# Altium PCB WPTChargerMain.PcbDoc (part 2 of 3) (continued)
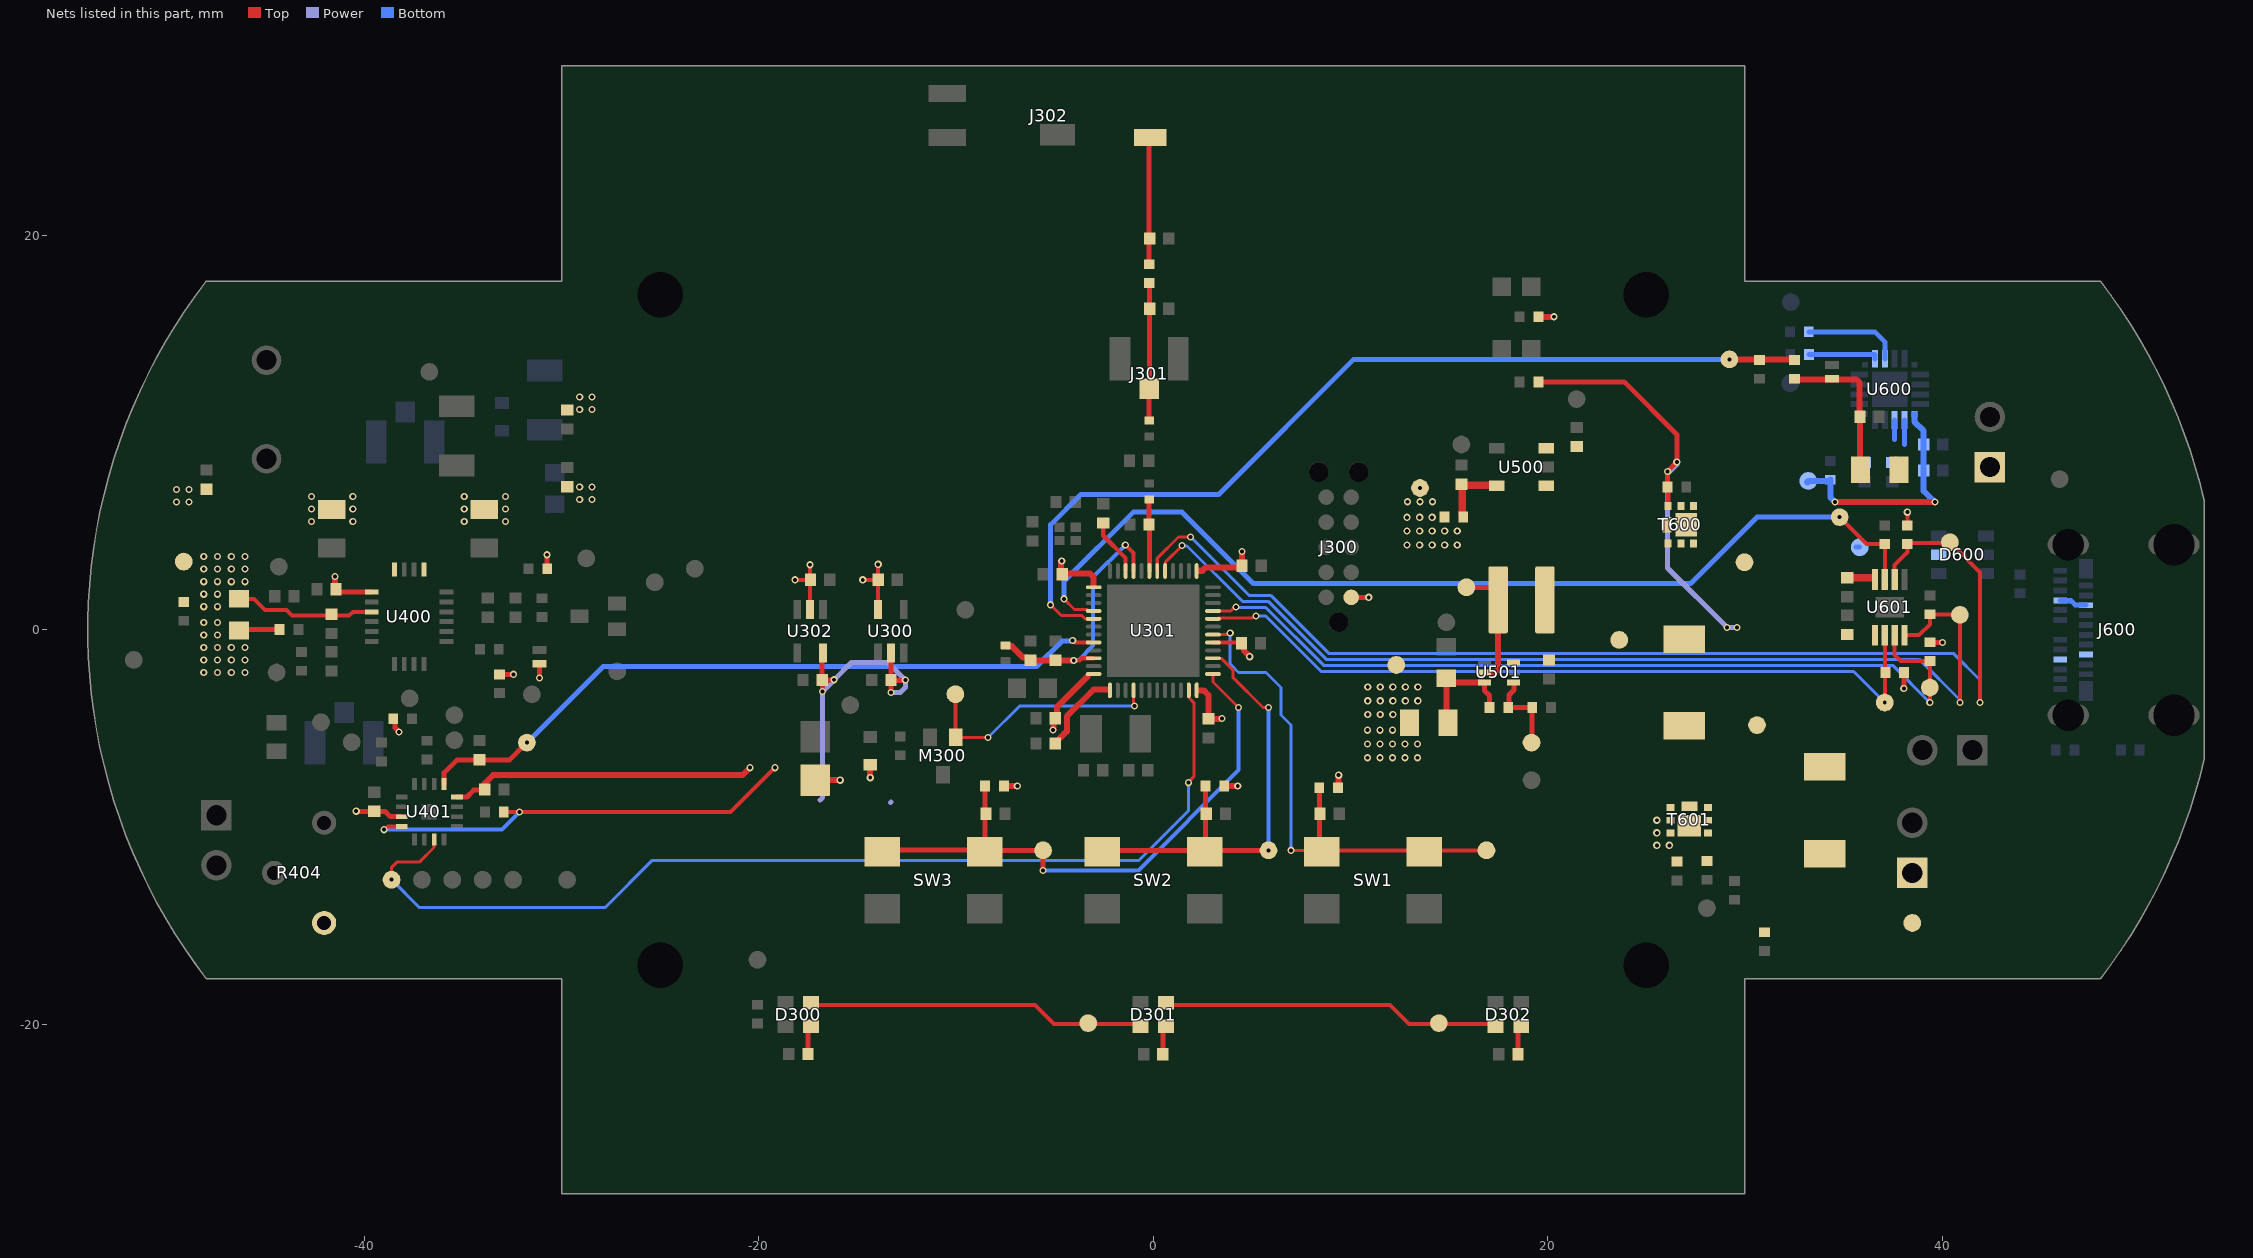
[diagram p4: the nets of this part, all layers, seen from the top]
## Part data (continued)
R504: "Fixed Resistor, Metal Glaze/thick Film, 0.2W, 499ohm, 50V, 1% +/-Tol, 100ppm/Cel, Surface Mount, 0402", Case/Package=0402, Manufacturer="Vishay Dale", Manufacturer Series=CRCW-HPE3, Max Operating Temperature=155°C, Medical Grade MFR=TBD, Min Operating Temperature=-55°C, Package Height=0.3mm, Package Length=1mm, Package Shape=Rectangular, Package Style=SMTMeter, Package Width=0.5mm, Power=200mW, Rated Temperature=70°C, Resistor Type="FIXED RESISTOR", Supplier Part Number=541-499YCT-ND, Supplier Part Number 1=71-CRCW0402499RFKEDH, Temperature Coefficient=100ppm/°C, Tolerance=1%, Working Voltage=50V, Category="Chip SMD Resistors", ComponentLink1Description=https://datasheet.ciiva.com:443/pdfs/VipMasterIC/IC/VISH/VISH-S-A0009391795/VISH-S-A0009391795-1.pdf?src-supplier=IHS+Markit, ComponentLink1URL=https://datasheet.ciiva.com:443/pdfs/VipMasterIC/IC/VISH/VISH-S-A0009391795/VISH-S-A0009391795-1.pdf?src-supplier=IHS+Markit, ComponentLink2Description=https://datasheet.ciiva.com/5540/crcwhpe3-46056-5540816.pdf?src-supplier=Mouser, ComponentLink2URL=https://datasheet.ciiva.com/5540/crcwhpe3-46056-5540816.pdf?src-supplier=Mouser, ComponentLink3Description=https://datasheet.ciiva.com/8932/crcwhpe3-8932421.pdf?src-supplier=Avnet, ComponentLink3URL=https://datasheet.ciiva.com/8932/crcwhpe3-8932421.pdf?src-supplier=Avnet, Construction=Chip, JESD-609 Code=e3, Manufacturer Part Number=CRCW0402499RFKEDHP, Medical Grade MFR PN=TBD, Mounting Technology="Surface Mount", Packaging="Tape and Reel", Pins=2, Pricing="1=0.13, 10=0.061, 50=0.0402, 100=0.0341, 500=0.024, 1000=0.02091, 5000=0.01572 (USD)", Reach SVHC Compliant=Yes, Reference Standard=AEC-Q200, RoHS=Yes, RoHS Compliant=Yes, Series="CRCW-HP E3", Stock=50100, Supplier=Digikey, Supplier 1=Mouser, Technology="METAL GLAZE/THICK FILM", Terminal Finish=Nickel, Termination=Wraparound
R600 R601: "5.11 kOhms ±1% 0.063W, 1/16W Chip Resistor 0402 (1005 Metric) Thick Film", Case Code (Imperial)=0402, Case Code (Metric)=1005, Manufacturer="Vishay Dale", Max Operating Temperature=155°C, Max Power Dissipation=63mW, Min Operating Temperature=-55°C, Package Quantity=10, Resistance Tolerance=1%, Resistor Type="Thick Film", Supplier Part Number 1=541-5.11KLCT-ND, Temperature Coefficient=100ppm/°C, Voltage Rating=50V, Case/Package=0402, Category="Chip SMD Resistors", ComponentLink1Description=https://datasheet.ciiva.com/11808/0900766b80d98824-11808638.pdf?src-supplier=Rs, ComponentLink1URL=https://datasheet.ciiva.com/11808/0900766b80d98824-11808638.pdf?src-supplier=Rs, ComponentLink2Description=https://datasheet.ciiva.com/2463/dcrcwe3-2463028.pdf?src-supplier=Digi-Key, ComponentLink2URL=https://datasheet.ciiva.com/2463/dcrcwe3-2463028.pdf?src-supplier=Digi-Key, ComponentLink3Description=https://datasheet.ciiva.com/2463/dcrcwe3-2463029.pdf?src-supplier=Digi-Key, ComponentLink3URL=https://datasheet.ciiva.com/2463/dcrcwe3-2463029.pdf?src-supplier=Digi-Key, ComponentLink4Description=https://datasheet.ciiva.com/2463/dcrcwe3-2463030.pdf?src-supplier=Digi-Key, ComponentLink4URL=https://datasheet.ciiva.com/2463/dcrcwe3-2463030.pdf?src-supplier=Digi-Key, ComponentLink5Description=https://datasheet.ciiva.com/26316/fld-crcw-e3-data-en-26316646.pdf?src-supplier=Distrelec, ComponentLink5URL=https://datasheet.ciiva.com/26316/fld-crcw-e3-data-en-26316646.pdf?src-supplier=Distrelec, ComponentLink6Description=https://datasheet.ciiva.com/46385/1697337-46385499.pdf?src-supplier=Element14, ComponentLink6URL=https://datasheet.ciiva.com/46385/1697337-46385499.pdf?src-supplier=Element14, ComponentLink7Description=https://datasheet.ciiva.com/3256/dcrcwe3-3256139.pdf?src-supplier=Avnet, ComponentLink7URL=https://datasheet.ciiva.com/3256/dcrcwe3-3256139.pdf?src-supplier=Avnet, ComponentLink8Description=https://datasheet.ciiva.com/3256/dcrcwe3-3256140.pdf?src-supplier=Avnet, ComponentLink8URL=https://datasheet.ciiva.com/3256/dcrcwe3-3256140.pdf?src-supplier=Avnet, ComponentLink9Description=https://datasheet.ciiva.com/16287/dcrcwe3-16287807.pdf?src-supplier=Future+Electronics, ComponentLink9URL=https://datasheet.ciiva.com/16287/dcrcwe3-16287807.pdf?src-supplier=Future+Electronics, Composition="Thick Film", Construction=Rectangular, Contact Plating=Tin, Depth=0.5mm, Features="Automotive AEC-Q200", Height=0.35mm, Lead Free="Lead Free", Length=1mm, Manufacturer Part Number=CRCW04025K11FKEDC, Military Standard=Not, Mount="Surface Mount", Number of Pins=2, Number of Terminations=2, Packaging="Tape and Reel", Power Rating=63mW, Radiation Hardening=No, RoHS=Yes, RoHS Compliant=Yes, Series=CRCW, Size Code=0402, Supplier 1=Digikey, Technology="THICK FILM", Termination=SMD/SMT, Tolerance=1%, Voltage Rating (DC)=50V, Weight=2.3E-05oz, Width=0.5mm
R602 R606 R615: "Res Thick Film 0402 1M Ohm 1% 0.063W(1/16W) ±100ppm/°C Pad SMD Automotive T/R", Case Code (Imperial)=0402, Case Code (Metric)=1005, Manufacturer=Vishay, Max Operating Temperature=155°C, Max Power Dissipation=63mW, Min Operating Temperature=-55°C, Package Quantity=10, Resistance=1MR, Resistance Tolerance=1%, Resistor Type="Thick Film", Supplier Part Number=61M5265, Temperature Coefficient=100ppm/°C, Voltage Rating=50V, Case/Package=0402, Category="Chip SMD Resistors", ComponentLink1Description=https://datasheet.ciiva.com/11809/0900766b80d98824-11809936.pdf?src-supplier=Rs, ComponentLink1URL=https://datasheet.ciiva.com/11809/0900766b80d98824-11809936.pdf?src-supplier=Rs, ComponentLink2Description=https://datasheet.ciiva.com/2463/dcrcwe3-2463361.pdf?src-supplier=Digi-Key, ComponentLink2URL=https://datasheet.ciiva.com/2463/dcrcwe3-2463361.pdf?src-supplier=Digi-Key, ComponentLink3Description=https://datasheet.ciiva.com/2463/dcrcwe3-2463362.pdf?src-supplier=Digi-Key, ComponentLink3URL=https://datasheet.ciiva.com/2463/dcrcwe3-2463362.pdf?src-supplier=Digi-Key, ComponentLink4Description=https://datasheet.ciiva.com/2463/dcrcwe3-2463363.pdf?src-supplier=Digi-Key, ComponentLink4URL=https://datasheet.ciiva.com/2463/dcrcwe3-2463363.pdf?src-supplier=Digi-Key, ComponentLink5Description=https://datasheet.ciiva.com/3256/dcrcwe3-3256184.pdf?src-supplier=Avnet, ComponentLink5URL=https://datasheet.ciiva.com/3256/dcrcwe3-3256184.pdf?src-supplier=Avnet, ComponentLink6Description=https://datasheet.ciiva.com/3256/dcrcwe3-3256185.pdf?src-supplier=Avnet, ComponentLink6URL=https://datasheet.ciiva.com/3256/dcrcwe3-3256185.pdf?src-supplier=Avnet, ComponentLink7Description=https://datasheet.ciiva.com/5548/dcrcwe3-109170-5548277.pdf?src-supplier=Mouser, ComponentLink7URL=https://datasheet.ciiva.com/5548/dcrcwe3-109170-5548277.pdf?src-supplier=Mouser, ComponentLink8Description=https://datasheet.ciiva.com/16211/dcrcwe3-16211596.pdf?src-supplier=Future+Electronics, ComponentLink8URL=https://datasheet.ciiva.com/16211/dcrcwe3-16211596.pdf?src-supplier=Future+Electronics, ComponentLink9Description=https://datasheet.ciiva.com/16724/70201119-16724238.pdf?src-supplier=Allied+Electronics, ComponentLink9URL=https://datasheet.ciiva.com/16724/70201119-16724238.pdf?src-supplier=Allied+Electronics, ComponentLink10Description=https://datasheet.ciiva.com/7841/1697337-7841486.pdf?src-supplier=Element14, ComponentLink10URL=https://datasheet.ciiva.com/7841/1697337-7841486.pdf?src-supplier=Element14, ComponentLink11Description=https://datasheet.ciiva.com/7841/1697337-7841806.pdf?src-supplier=Element14, ComponentLink11URL=https://datasheet.ciiva.com/7841/1697337-7841806.pdf?src-supplier=Element14, ComponentLink12Description=https://datasheet.ciiva.com/26316/fld-crcw-e3-data-en-26316602.pdf?src-supplier=Distrelec, ComponentLink12URL=https://datasheet.ciiva.com/26316/fld-crcw-e3-data-en-26316602.pdf?src-supplier=Distrelec, ComponentLink13Description=https://datasheet.ciiva.com/26821/getdatasheetpartid-50834-26821015.pdf?src-supplier=Verical, ComponentLink13URL=https://datasheet.ciiva.com/26821/getdatasheetpartid-50834-26821015.pdf?src-supplier=Verical, ComponentLink14Description=https://datasheet.ciiva.com/16767/70201119-16767639.pdf?src-supplier=Allied+Electronics, ComponentLink14URL=https://datasheet.ciiva.com/16767/70201119-16767639.pdf?src-supplier=Allied+Electronics, Composition="Thick Film", Construction=Rectangular, Contact Plating=Tin, Depth=0.5mm, Features="Automotive AEC-Q200", Height=0.35mm, Lead Free="Lead Free", Length=1mm, Manufacturer Part Number=CRCW04021M00FKED, Military Standard=Not, Number of Pins=2, Number of Terminations=2, Packaging="Tape and Reel", Pins=2, Power Rating=63mW, Pricing="1=0,12500, 10=0,05300, 25=0,04300, 50=0,03100, 100=0,02100 (USD)", Radiation Hardening=No, RoHS=Yes, RoHS Compliant=Yes, Series=CRCW, Stock=547467, Supplier=Newark, Supplier 1=Newark, Supplier Part Number 1=61M5265, Technology="THICK FILM", Termination=SMD/SMT, Tolerance=1%, Voltage Rating (DC)=50V, Weight=2.3E-05oz, Width=0.02inch
R603 R604 R605 R612 R613: "Res Thick Film 0402 1K Ohm 1% 1/16W ±100ppm/°C Molded SMD Paper T/R", Case Code (Imperial)=0402, Case Code (Metric)=1005, Manufacturer="Vishay Dale", Max Operating Temperature=155°C, Max Power Dissipation=63mW, Min Operating Temperature=-55°C, Package Quantity=10, Resistance=1kR, Resistance Tolerance=1%, Resistor Type="Thick Film", Supplier Part Number 1=541-1.00KLCT-ND, Temperature Coefficient=100ppm/°C, Voltage Rating=50V, Case/Package=0402, Category="Chip SMD Resistors", ComponentLink1Description=https://datasheet.ciiva.com/11808/0900766b80d98824-11808638.pdf?src-supplier=Rs, ComponentLink1URL=https://datasheet.ciiva.com/11808/0900766b80d98824-11808638.pdf?src-supplier=Rs, ComponentLink2Description=https://datasheet.ciiva.com/2463/dcrcwe3-2463028.pdf?src-supplier=Digi-Key, ComponentLink2URL=https://datasheet.ciiva.com/2463/dcrcwe3-2463028.pdf?src-supplier=Digi-Key, ComponentLink3Description=https://datasheet.ciiva.com/2463/dcrcwe3-2463029.pdf?src-supplier=Digi-Key, ComponentLink3URL=https://datasheet.ciiva.com/2463/dcrcwe3-2463029.pdf?src-supplier=Digi-Key, ComponentLink4Description=https://datasheet.ciiva.com/2463/dcrcwe3-2463030.pdf?src-supplier=Digi-Key, ComponentLink4URL=https://datasheet.ciiva.com/2463/dcrcwe3-2463030.pdf?src-supplier=Digi-Key, ComponentLink5Description=https://datasheet.ciiva.com/26316/fld-crcw-e3-data-en-26316646.pdf?src-supplier=Distrelec, ComponentLink5URL=https://datasheet.ciiva.com/26316/fld-crcw-e3-data-en-26316646.pdf?src-supplier=Distrelec, ComponentLink6Description=https://datasheet.ciiva.com/46385/1697337-46385499.pdf?src-supplier=Element14, ComponentLink6URL=https://datasheet.ciiva.com/46385/1697337-46385499.pdf?src-supplier=Element14, ComponentLink7Description=https://datasheet.ciiva.com/3256/dcrcwe3-3256139.pdf?src-supplier=Avnet, ComponentLink7URL=https://datasheet.ciiva.com/3256/dcrcwe3-3256139.pdf?src-supplier=Avnet, ComponentLink8Description=https://datasheet.ciiva.com/3256/dcrcwe3-3256140.pdf?src-supplier=Avnet, ComponentLink8URL=https://datasheet.ciiva.com/3256/dcrcwe3-3256140.pdf?src-supplier=Avnet, ComponentLink9Description=https://datasheet.ciiva.com/16287/dcrcwe3-16287807.pdf?src-supplier=Future+Electronics, ComponentLink9URL=https://datasheet.ciiva.com/16287/dcrcwe3-16287807.pdf?src-supplier=Future+Electronics, Composition="Thick Film", Construction=Rectangular, Contact Plating=Tin, Depth=0.5mm, Features="Automotive AEC-Q200", Height=0.35mm, Lead Free="Lead Free", Length=1mm, Manufacturer Part Number=CRCW04021K00FKED, Military Standard=Not, Mount="Surface Mount", Number of Pins=2, Number of Terminations=2, Packaging="Tape and Reel", Power Rating=63mW, Pricing 1="50=0.03600, 500=0.01400, 1000=0.01200, 2000=0.01000, 4000=0.00900 (GBP)", Radiation Hardening=No, RoHS=Yes, RoHS Compliant=Yes, Series=CRCW, Size Code=0402, Stock 1=8700, Supplier 1=Digikey, Technology="THICK FILM", Termination=SMD/SMT, Tolerance=1%, Voltage Rating (DC)=50V, Weight=2.3E-05oz, Width=0.5mm
R607: "3.24 kOhms ±1% 0.063W, 1/16W Chip Resistor 0402 (1005 Metric) Automotive AEC-Q200 Thick Film", Case Code (Imperial)=0402, Case Code (Metric)=1005, Manufacturer="Vishay Dale", Max Operating Temperature=155°C, Max Power Dissipation=63mW, Min Operating Temperature=-55°C, Supplier Part Number 1=9037818, Temperature Coefficient=100ppm/°C, Tolerance=1%, Voltage Rating=50V, Case/Package=0402, Composition="Thick Film", Contact Plating=Tin, Depth=0.5mm, Features="Automotive AEC-Q200", Height=0.35mm, Lead Free="Lead Free", Length=1mm, Manufacturer Part Number=CRCW04023K24FKED, Military Standard=Not, Mount="Surface Mount", Number of Pins=2, Number of Terminations=2, Power Rating=63mW, Radiation Hardening=No, Supplier 1="Future Electronics", Termination=SMD/SMT, Voltage Rating (DC)=50V, Width=0.5mm
R614: "Resistor, 1.2 M 1%, 0402", Manufacturer=Vishay, Medical Grade Manufacturer=-, Power="63 mW", Supplier Part Number=TBD, Supplier Part Number 1=71-CRCW04021M20FKEDC, Temperature Coefficient="100 ppm/°C", Tolerance=1%, Voltage Rating=50V, Category=Resistor, Height=0.35mm, Length=1mm, Manufacturer Part Number=CRCW04021M20FKEDC, Medical Grade Manufacturer Part Number=-, Size Code=0402, Supplier=TBD, Supplier 1=Mouser, Supplier 2=Digikey, Supplier Part Number 2=541-4796-2-ND, Width=0.5mm
R616: "3.3 MOhms ±1% 0.063W, 1/16W Chip Resistor 0402 (1005 Metric) Automotive AEC-Q200 Thick Film", Case Code (Imperial)=0402, Manufacturer=Vishay, Max Operating Temperature=155°C, Max Power Dissipation=63mW, Min Operating Temperature=-55°C, Resistance Tolerance=1%, Supplier Part Number 1=541-3.30MLCT-ND, Temperature Coefficient=100ppm/°C, Voltage Rating=50V, Case/Package=0402, Category="Chip SMD Resistors", ComponentLink1Description=https://datasheet.ciiva.com/11809/0900766b80d98824-11809936.pdf?src-supplier=Rs, ComponentLink1URL=https://datasheet.ciiva.com/11809/0900766b80d98824-11809936.pdf?src-supplier=Rs, ComponentLink2Description=https://datasheet.ciiva.com/2463/dcrcwe3-2463361.pdf?src-supplier=Digi-Key, ComponentLink2URL=https://datasheet.ciiva.com/2463/dcrcwe3-2463361.pdf?src-supplier=Digi-Key, ComponentLink3Description=https://datasheet.ciiva.com/2463/dcrcwe3-2463362.pdf?src-supplier=Digi-Key, ComponentLink3URL=https://datasheet.ciiva.com/2463/dcrcwe3-2463362.pdf?src-supplier=Digi-Key, ComponentLink4Description=https://datasheet.ciiva.com/2463/dcrcwe3-2463363.pdf?src-supplier=Digi-Key, ComponentLink4URL=https://datasheet.ciiva.com/2463/dcrcwe3-2463363.pdf?src-supplier=Digi-Key, ComponentLink5Description=https://datasheet.ciiva.com/3256/dcrcwe3-3256184.pdf?src-supplier=Avnet, ComponentLink5URL=https://datasheet.ciiva.com/3256/dcrcwe3-3256184.pdf?src-supplier=Avnet, ComponentLink6Description=https://datasheet.ciiva.com/3256/dcrcwe3-3256185.pdf?src-supplier=Avnet, ComponentLink6URL=https://datasheet.ciiva.com/3256/dcrcwe3-3256185.pdf?src-supplier=Avnet, ComponentLink7Description=https://datasheet.ciiva.com/5548/dcrcwe3-109170-5548277.pdf?src-supplier=Mouser, ComponentLink7URL=https://datasheet.ciiva.com/5548/dcrcwe3-109170-5548277.pdf?src-supplier=Mouser, ComponentLink8Description=https://datasheet.ciiva.com/16211/dcrcwe3-16211596.pdf?src-supplier=Future+Electronics, ComponentLink8URL=https://datasheet.ciiva.com/16211/dcrcwe3-16211596.pdf?src-supplier=Future+Electronics, ComponentLink9Description=https://datasheet.ciiva.com/16724/70201119-16724238.pdf?src-supplier=Allied+Electronics, ComponentLink9URL=https://datasheet.ciiva.com/16724/70201119-16724238.pdf?src-supplier=Allied+Electronics, ComponentLink10Description=https://datasheet.ciiva.com/7841/1697337-7841486.pdf?src-supplier=Element14, ComponentLink10URL=https://datasheet.ciiva.com/7841/1697337-7841486.pdf?src-supplier=Element14, ComponentLink11Description=https://datasheet.ciiva.com/7841/1697337-7841806.pdf?src-supplier=Element14, ComponentLink11URL=https://datasheet.ciiva.com/7841/1697337-7841806.pdf?src-supplier=Element14, ComponentLink12Description=https://datasheet.ciiva.com/26316/fld-crcw-e3-data-en-26316602.pdf?src-supplier=Distrelec, ComponentLink12URL=https://datasheet.ciiva.com/26316/fld-crcw-e3-data-en-26316602.pdf?src-supplier=Distrelec, ComponentLink13Description=https://datasheet.ciiva.com/26821/getdatasheetpartid-50834-26821015.pdf?src-supplier=Verical, ComponentLink13URL=https://datasheet.ciiva.com/26821/getdatasheetpartid-50834-26821015.pdf?src-supplier=Verical, ComponentLink14Description=https://datasheet.ciiva.com/16767/70201119-16767639.pdf?src-supplier=Allied+Electronics, ComponentLink14URL=https://datasheet.ciiva.com/16767/70201119-16767639.pdf?src-supplier=Allied+Electronics, Contact Plating=Tin, Height=0.35mm, Lead Free="Lead Free", Length=1mm, Manufacturer Part Number=CRCW04023M30FKED, Pins=2, Power Rating=63mW, RoHS=Yes, Series=CRCW, Supplier 1=Digikey, Tolerance=1%
R617: "Resistor, 2.8 M 1%, 0402", Manufacturer=Vishay, Medical Grade Manufacturer=TBD, Power=62.5mW, Supplier Part Number=-, Supplier Part Number 1=71-CRCW04022M80FKED, Temperature Coefficient="100 ppm/°C", Tolerance=1%, Voltage Rating=50V, Category=Resistor, Height=0.35mm, Length=1mm, Manufacturer Part Number=CRCW04022M80FKED, Medical Grade Manufacturer Part Number=TBD, Size Code=0402, Supplier=-, Supplier 1=Mouser, Supplier 2=Digikey, Supplier 3=Digikey, Supplier 4=Digikey, Supplier Part Number 2=541-2.80MLCT-ND, Supplier Part Number 3=541-2.80MLDKR-ND, Supplier Part Number 4=541-2.80MLTR-ND, Width=0.5mm
R618: "Resistor, 1.5 M 1%, 0402", Manufacturer=Vishay, Medical Grade Manufacturer=-, Power=62.5mW, Supplier Part Number=TBD, Supplier Part Number 1=71-CRCW04021M50FKED, Temperature Coefficient="100 ppm/°C", Tolerance=1%, Voltage Rating=50V, Category=Resistor, Height=0.35mm, Length=1mm, Manufacturer Part Number=CRCW04021M50FKED, Medical Grade Manufacturer Part Number=-, Size Code=0402, Supplier=TBD, Supplier 1=Mouser, Supplier 2=Digikey, Supplier 3=Digikey, Supplier 4=Digikey, Supplier Part Number 2=541-1.50MLCT-ND, Supplier Part Number 3=541-1.50MLDKR-ND, Supplier Part Number 4=541-1.50MLTR-ND, Width=0.5mm
R619: "Resistor 200 1%, 0402, Non Implant-grade", Manufacturer=Vishay, Medical Grade Manufacturer=None, Power="200 mW", Supplier Part Number=TBD, Supplier Part Number 1=71-CRCW0402200RFKEDH, Temperature Coefficient="100 ppm/°C", Tolerance=1%, Voltage Rating=50V, Category=Resistor, Height=0.3mm, Length=1mm, Manufacturer Part Number=CRCW0402200RFKEDHP, Medical Grade Manufacturer Part Number=None, Size Code=0402, Supplier=TBD, Supplier 1=Mouser, Supplier 2=Digikey, Supplier 3=Digikey, Supplier 4=Digikey, Supplier Part Number 2=541-200YCT-ND, Supplier Part Number 3=541-200YDKR-ND, Supplier Part Number 4=541-200YTR-ND, Width=0.5mm
SW1 SW2 SW3: "Pushbutton, NO-MOM, 12V, 0.05A, SMT", Manufacturer=C&K, Package Description=SMT, Rating=12V,0.05A, Supplier Part Number 1=PTS647SN50SMTR2LFSCT-ND, Category=Pushbutton, Length (mm)="6.5 ±0.20", Manufacturer Part Number=PTS647SN50SMTR2LFS, Supplier 1=Digi-Key, Thickness (mm)="1.55 ±0.15", Width (mm)=4.5
T600 T601: "MOSFET, technology, P-MOS, 1 Channel, Vgs th 0.9 max, 1.9 W, SMD", Id, drain  DC current max="14 A", Manufacturer=Nexperia, Power Dissipation="1.9 W", Supplier Part Number=TBD, Supplier Part Number 1=771-PMPB11R2VPX, Category=Transistor, Height=0.65mm, Manufacturer Part Number=PMPB11R2VPX, Mounting Type=SMD, Number of Channels=1, Supplier=TBD, Supplier 1=Mouser, Supplier 2=Digikey, Supplier Part Number 2=1727-PMPB11R2VPXTR-ND, Type=P-MOS, Vds breakdown="12 V", Vgs max="8 V", Vgs th="0.9 V"
TP300 TP301 TP302 TP303 TP304 TP305 TP306 TP307 TP308 TP400 TP401 TP402 TP403 TP404 TP405 TP406 TP407 TP408 TP409 TP410 TP411 TP412 TP413 TP414 TP415 TP416 TP417 TP418 TP419 TP420 TP421 TP500 TP501 TP502 TP503 TP504 TP505 TP506 TP507 TP600 TP601 TP602 TP603 TP604 TP605 TP606 TP607 TP608 TP609 TP610 TP611 TP612 TP613 TP614 TP615: "Test pad, 0.90mm circular pad", Manufacturer=N/A, Category="Test point", Length (mm)=0.90, Manufacturer PN=N/A, Medical Grade MFR=N/A, Medical Grade MFR PN=N/A, PCB Footprint=testpad_0p90mm, Rating=N/A, Thickness (mm)=N/A, Width (mm)=0.90
U300 U302: "Voltage Level Translator, Automotive 1-bit dual-supply buffered voltage signal translator", Manufacturer="Texas Instruments", Operating Supply Current="14 uA", Supplier Part Number=TBD, Supplier Part Number 1=296-2N7001TQDCKRQ1CT-ND, Category="Level Translator", Height="1.1 mm", Manufacturer Part Number=2N7001TQDCKRQ1, Mounting Type=SMD, Quiscent Current="14 uA", Shutdown Capabilities=No, Supplier=TBD, Supplier 1=Digikey, Supplier 2=Digikey, Supplier 3=Digikey, Supplier 4=Mouser, Supplier Part Number 2=296-2N7001TQDCKRQ1DKR-ND, Supplier Part Number 3=296-2N7001TQDCKRQ1TR-ND, Supplier Part Number 4=595-2N7001TQDCKRQ1, Type=Unidirectional
U301: "IC RF TxRx + MCU 802.15.4, Bluetooth Bluetooth v5.0, Thread, Zigbee® 2.4GHz 48-VFQFN Exposed Pad", Manufacturer="Nordic Semiconductor", Supplier Part Number 1=4823-NRF52840-QFAA-F-RCT-ND, Category=MCU, Height=0.9mm, Manufacturer Part Number=NRF52840-QFAA-F-R7, Mounting Type=SMD, Supplier 1=Digikey, Type="BLE MCU"
U400: "5W Autoresonant Wireless Power Transmitter PMIC 20-QFN (4x5)", Current supply=1mA, Manufacturer="Analog Devices Inc.", Operating Temperature="-40°C ~ 125°C", Package="20-WFQFN Exposed Pad", Supplier Part Number 1=505-LTC4125IUFD#TRPBFCT-ND, Voltage supply="3V ~ 5.5V", Category="Wireless Power Transmitter", Manufacturer Part Number=LTC4125IUFD#TRPBF, Mounting Type="Surface Mount", Supplier 1=Digikey
U401: "16 Bit Digital to Analog Converter 4 16-WQFN (3x3)", Manufacturer="Texas Instruments", Rating=2.7-5.5V, Supplier Part Number 1=296-DAC80504RTETCT-ND, Category=IC, Length (mm)="2.50 ±0.10", Manufacturer Part Number=DAC80504RTET, Supplier 1=Digikey, Thickness (mm)="0.75 ±0.05", Width (mm)="2.50 ±0.10"
U500: "Ldo, Fixed, 3.3V, 0.15A, -40 To 85Deg C Rohs Compliant: Yes", Case/Package=SOT-25, Dropout Voltage=350mV, Manufacturer="Diodes Inc", Max Input Voltage=5.5V, Max Operating Temperature=85°C, Min Operating Temperature=-40°C, Min Output Voltage=3.3V, Output Current=150mA, Quiescent Current=600nA, Supplier Part Number 1=AP7354-33W5-7DICT-ND, ComponentLink1Description=https://www.diodes.com/assets/Datasheets/AP7354.pdf?src-supplier=Digi-Key, ComponentLink1URL=https://www.diodes.com/assets/Datasheets/AP7354.pdf?src-supplier=Digi-Key, Manufacturer Part Number=AP7354-33W5-7, Mount="Surface Mount", Number of Regulators=1, Output Configuration=Positive, Output Type=Fixed, Packaging="Cut Tape", Pricing 1="1=0.52000, 10=0.44400, 25=0.41440, 100=0.33150, 250=0.30784, 500=0.26048, 1000=0.20128 (USD)", RoHS=Yes, RoHS Compliant=Yes, Stock 1=121726, Supplier 1=Digi-Key
U501: "Boost Switching Regulator IC Positive Adjustable 2.2V 1 Output 3A SOT-563, SOT-666", Manufacturer="Texas Instruments", Output Current=3A, Supplier Part Number 1=296-TPS61023DRLRCT-ND, Switching Frequency=1MHz, Category="Switched Regulator", Input Range=0.5V-5.5V, Manufacturer Part Number=TPS61023DRLR, Number of Outputs=1, Output=2.2V-5.5V, Output Type=Adjustable, Supplier 1=Digikey, Topology=Boost
U600: "IC USB TO UART BRIDGE QFN20", Manufacturer="Silicon Labs", Supplier Part Number 1=634-CP2102NA02QFN20R, Manufacturer Part Number=CP2102N-A02-GQFN20R, Supplier 1=Mouser
U601: "Battery Charger Li-Ion/Li-Pol 1200mA 4.2V 8-Pin UDFN T/R", Manufacturer="NXP Semiconductors", Package=None, Supplier Part Number 1=MC34673AEPR2CT-ND, Availability="In Stock", Check_prices=https://www.snapeda.com/parts/MC34673AEPR2/NXP+Semiconductors/view-part/?ref=eda, Manufacturer Part Number=MC34673AEPR2, Price=None, Purchase-URL=https://pricing.snapeda.com/search/part/MC34673AEPR2/?ref=eda, SnapEDA_Link=https://www.snapeda.com/parts/MC34673AEPR2/NXP+Semiconductors/view-part/?ref=snap, Supplier 1=Digikey
X100 X101 X102 X103: "Hole, Unplated, 2.3mm"
Y300: "32 MHz Â±10ppm Crystal 10pF 100 Ohms 4-SMD, No Lead", Manufacturer="ECS Inc.", Medical Grade MFR=TBD, Package Description="4-SMD, No Lead", Rating=N/A, Supplier Part Number 1=XC3036CT-ND, Category=Crystal, Length (mm)=1.20, Manufacturer Part Number=ECS-320-10-48-CKY-TR, Medical Grade MFR PN=TBD, PCB Footprint=TBD, Supplier 1=Digi-Key, Thickness (mm)=0.33, Width (mm)=1.00
Y301: "32.768 kHz ±10ppm Crystal 9pF 70 kOhms 2-SMD, No Lead", Manufacturer="ECS Inc.", Medical Grade MFR=-, Package Description=2-SMD, Rating=N/A, Supplier Part Number 1=XC1949CT-ND, Category=Crystal, Length (mm)=3.20mm, Manufacturer Part Number=ECS-.327-9-34B-C-TR, Medical Grade MFR PN=-, PCB Footprint=-, Supplier 1=Digikey, Thickness (mm)=0.90mm, Width (mm)=1.50mm

## Via types
v1: diameter 0.365/0.365/0.365/0.365 (per signal layer), hole 0.2, Top to Bottom, tented both sides, 430 vias
v2: diameter 0.365, hole 0.2, Top to Bottom, tented both sides, 97 vias
v3: diameter 0.365/0.365/0.365/0.365 (per signal layer), hole 0.2, Top to Bottom, 50 vias

## Nets (pads, with @x,y where several pads share a name; then routed paths per layer and width w, separated by ;. In a path a pad name is that pad's centre, name@x,y a point inside that pad or via, vN(x,y) a via of type N, cw(c..) or ccw(c..) an arc to the next point about the centre after c; other vN are vias at no path point)
3V3_LDO_OUT: C501.1 R500.1 U500.5 | length 3.4
  Top w0.4: C501.1@15.665,7.334 15.665,5.765 R500.1@15.715,5.715 ; C501.1@15.676,7.334 17.389,7.334 U500.5@17.418,7.305
5V_DC/DC_OUT: C503.2 R501.2 R503.1 U501.6 | length 5.7
  Top w0.254: U501.6@16.786,-2.659 16.786,-3.07 17.043,-3.327 R501.2@17.043,-3.937
  Top w0.305: R503.1@14.945,-4.699 14.859,-4.613 C503.2@14.859,-2.451 15.064,-2.656 16.783,-2.656 U501.6@16.786,-2.659
5V_SW: L500.2 TP507.1 U501.5 | length 6.3
  Top w0.254: TP507.1@15.875,2.159 17.121,2.159 17.484,1.796 L500.2@17.484,1.524
  Top w0.305: U501.5@16.786,-2.159 17.335,-2.159 17.484,-2.01 L500.2@17.484,1.524
+3V3_VDD: C309.2 C310.2 C318.2 C319.2 C320.2 C323.2 C325.2 C410.2 C413.2 D303.1 J300.1 P300.1 R303.2 R304.2 R305.2 R413.1 R500.2 R504.2 R608.2 R609.2 R610.2 TP500.1 U300.5 U301.12 U301.17 U301.25 U301.37 U301.48 U302.2 U401.8 U401.16 | length 66.6
  Top w0.205: v2(-38.997,-10.128) -38.954,-10.128 -38.795,-9.969 U401.8@-38.106,-9.969 ; R413.1@-32.934,-9.239 v2(-32.139,-9.239) -21.431,-9.239 v2(-19.177,-6.985) ; v1(-18.161,2.54) -17.526,2.54 -17.399,2.667 v1(-17.399,3.302) ; U302.2@-17.399,1.031 -17.399,2.517 C325.2@-17.376,2.54 ; v1(-14.732,2.54) C323.2@-13.947,2.54 ; U300.5@-13.95,1.031 -13.947,1.034 C323.2@-13.947,2.54 ; v1(-13.947,3.325) C323.2@-13.947,2.54 ; U301.17@3.025,-0.639 C320.2@4.429,-0.639 ; R608.2@38.067,-2.159 R608.2@38.069,-2.161 ; R610.2@38.227,5.301 v2(38.227,5.969) ; R609.2@39.37,-0.624 R609.2@39.372,-0.622
  Top w0.254: U401.16@-35.306,-8.469 -34.798,-8.469 -34.458,-8.129 -33.927,-8.129 C410.2@-33.894,-8.096 ; C320.2@4.429,-0.635 C320.2@4.468,-0.674 ; J300.1@10.035,1.649 10.038,1.651 v2(10.922,1.651) ; v2(38.049,-2.972) 38.069,-2.952 R608.2@38.069,-2.161 ; R609.2@39.372,-0.622 39.38,-0.629 39.999,-0.629 v2(40.005,-0.635)
  Top w0.305: C410.2@-33.894,-8.096 -33.909,-8.081 -33.909,-7.799 -33.475,-7.365 -20.827,-7.365 v2(-20.447,-6.985) ; P300.1@-17.145,-7.616 -17.141,-7.62 v2(-15.875,-7.62) ; v2(-14.351,-7.493) D303.1@-14.351,-6.835 ; R305.2@-7.54,-7.885 R305.2@-7.576,-7.921 -6.905,-7.921 v2(-6.894,-7.91) ; v2(-5.08,-5.08) -5.069,-5.069 -5.069,-4.577 C309.2@-4.976,-4.484 -4.892,-4.4 -4.892,-3.917 U301.48@-3.299,-2.324 ; v2(-4.641,3.494) -4.641,3.478 -4.685,3.434 -4.685,2.885 C310.2@-4.648,2.848 ; C310.2@-4.619,2.819 C310.2@-4.648,2.848 ; U301.37@-3.025,2.214 -3.025,2.669 -3.204,2.848 C310.2@-4.648,2.848 ; U301.25@2.265,2.992 2.271,2.998 2.49,2.998 2.667,3.175 C319.2@4.522,3.175 ; U301.12@2.283,-3.069 2.288,-3.064 2.556,-3.064 2.794,-3.302 C318.2@2.794,-4.507 3.465,-4.507 v2(3.476,-4.496) ; R304.2@3.6,-7.921 4.271,-7.921 v2(4.282,-7.91) ; C320.2@4.468,-0.674 4.6,-0.806 4.6,-1.057 4.888,-1.344 v2(4.888,-1.36) ; v2(4.494,3.976) 4.496,3.973 C319.2@4.496,3.252 ; R303.2@9.365,-8.001 9.39,-7.976 v2@9.39,-7.39 ; R504.2@19.525,15.875 v1(20.32,15.875)
  Bottom w0.205: v2(-38.997,-10.128) -33.028,-10.128 v2(-32.139,-9.239)
  other v1: -29.083,11.176 -28.455,11.176 -29.083,11.804 -28.455,11.804
  other v2: 9.398,-7.366 12.87,4.309 13.505,4.309 14.14,4.309 14.775,4.309 15.41,4.309 12.87,5.007 13.505,5.007 14.14,5.007 14.775,5.007 15.41,5.007 12.87,5.706 13.505,5.706 14.14,5.706 12.888,6.495 13.523,6.495 14.158,6.495 13.523,7.194
+3V3_VUART: C603.1 C604.2 R603.2 TP601.1 U600.6 | length 12.4
  Top w0.305: v1(34.563,6.484) 34.571,6.476 39.623,6.476 v1(39.624,6.477)
  Bottom w0.305: TP601.1@33.16,7.48 33.147,7.493 TP601.1@33.207,7.553 34.264,7.553 R603.2@34.324,7.613 34.324,6.723 v1(34.563,6.484) ; U600.6@38.588,10.942 38.588,10.561 39.058,10.091 C604.2@39.058,9.398 39.058,7.043 v1(39.624,6.477)
+3V7_BAT: C601.2 C606.2 D603.2 R611.2 R615.1 T600.1 T600.2 T600.5 T600.6 T600.7 TP609.1 U601.8 | length 9.3
  Top w0.254: U601.8@36.555,2.644 36.588,2.611 U601.8@36.588,2.553
  Top w0.305: R615.1@32.514,12.733 32.547,12.7 34.417,12.7 35.635,12.7 35.814,12.521 C601.2@35.814,10.802 ; C601.2@35.828,10.802 35.828,8.155 R611.2@35.855,8.128
  Top w0.365: C606.2@35.179,2.644 U601.8@36.555,2.644
+5V0_VCC: C324.2 C326.2 C409.2 C414.2 D401.1 R400.1 R402.2 R403.2 R404.1 R409.1 R410.2 R503.2 TP501.1 U300.2 U302.5 U401.7 | length 24.7
  Top w0.205: v1@-32.434,-2.254 v1(-32.431,-2.252) ; v1@-31.123,-2.436 v1(-31.121,-2.439)
  Top w0.254: R400.1@-46.307,0.025 R409.1@-44.293,0.025 ; v1(-40.414,-9.191) -40.41,-9.196 C409.2@-39.5,-9.196 -38.957,-9.196 -38.684,-9.469 U401.7@-38.106,-9.469 ; R402.2@-38.533,-4.508 -38.439,-4.601 -38.439,-4.971 v1(-38.235,-5.175) ; R410.2@-33.155,-2.254 v1@-32.434,-2.254 ; v1@-31.123,-2.436 D401.1@-31.123,-1.715 ; v1(-30.734,3.81) -30.73,3.806 -30.73,3.104 R403.2@-30.726,3.1 ; C326.2@-16.787,-2.54 -16.787,-1.207 U302.5@-16.749,-1.169 ; v1(-16.764,-3.129) -16.775,-3.117 -16.775,-2.551 -16.761,-2.537 -16.191,-2.537 v1(-16.183,-2.529) ; v1(-13.3,-3.175) -13.3,-2.561 -12.594,-2.561 v1(-12.573,-2.54) ; C324.2@-13.3,-2.54 U300.2@-13.3,-1.169
  Power w0.254: -16.891,-8.636 -16.764,-8.509 v1(-16.764,-3.129) -16.183,-2.548 -16.183,-2.522 -15.313,-1.651 -13.462,-1.651 v1(-12.573,-2.54) -12.573,-2.921 -12.827,-3.175 v1(-13.3,-3.175) ; -13.335,-8.763 -13.303,-8.731
  other v1: 10.854,-6.482 11.489,-6.482 12.124,-6.482 12.759,-6.482 13.394,-6.482 10.854,-5.784 11.489,-5.784 12.124,-5.784 12.759,-5.784 13.394,-5.784 10.854,-5.085 11.489,-5.085 12.124,-5.085 10.872,-4.295 11.507,-4.295 12.142,-4.295 10.872,-3.597 11.507,-3.597 12.142,-3.597 12.777,-3.597 13.412,-3.597 10.872,-2.898 11.507,-2.898 12.142,-2.898 12.777,-2.898 13.412,-2.898 -48.141,-2.167 -47.443,-2.167 -46.744,-2.167 -46.046,-2.167 -48.141,-1.532 -47.443,-1.532 -46.744,-1.532 -46.046,-1.532 -48.141,-0.897 -47.443,-0.897 -46.744,-0.897 -46.046,-0.897 -48.141,-0.262 -47.443,-0.262 -48.141,0.373 -47.443,0.373 -29.083,6.611 -28.455,6.611 -29.083,7.239 -28.455,7.239
+5V0_VCHG: C605.2 D601.2 D602.1 R613.2 R619.2 T600.3 T601.4 T601.8 TP611.1 U601.1 | length 22
  Top w0.254: R619.2@19.525,12.573 23.876,12.573 26.543,9.906 v1(26.543,8.509) 26.078,8.044 v1(26.078,8.036) 26.068,8.025 R613.2@26.068,7.239 ; R613.2@26.068,7.112 26.095,7.085 T600.3@26.095,6.285
  Power w0.254: v1@26.543,8.382 26.078,7.917 26.078,7.909 26.073,7.903 26.073,3.137 v1(29.083,0.127) v1(29.591,0.127)
+5V0_WPT_VIN: C400.2 C401.2 C402.2 C403.2 C415.2 R400.2 R408.2 TP418.1 U400.1 U400.3 U400.17 U400.20 | length 9.5
  Top w0.205: R400.2@-46.34,1.556 -45.586,1.556 -45.046,1.016 -43.942,1.016 -43.657,0.731 -41.659,0.731 -40.77,0.731 -40.584,0.917 U400.3@-39.627,0.917
  Top w0.254: C401.2@-41.317,1.917 U400.1@-39.627,1.917
  Top w0.305: C401.2@-41.493,2.064 v1@-41.493,2.7
  other v1: -48.141,1.175 -47.443,1.175 -48.141,1.81 -47.443,1.81 -48.141,2.445 -47.443,2.445 -46.744,2.445 -46.046,2.445 -41.492,2.701 -48.141,3.08 -47.443,3.08 -46.744,3.08 -46.046,3.08 -48.141,3.715 -47.443,3.715 -46.744,3.715 -46.046,3.715 -42.68,5.493 -40.585,5.493 -34.933,5.493 -32.838,5.493 -42.68,6.128 -40.585,6.128 -34.933,6.128 -32.838,6.128 -49.523,6.484 -48.895,6.484 -42.68,6.763 -40.585,6.763 -34.933,6.763 -32.838,6.763 -49.523,7.112 -48.895,7.112
+BAT: J601.1 R611.1
+V_UNREG: C305.2 C306.2 C307.2 C500.1 C502.2 D300.1 D301.1 D302.1 D601.1 L500.1 T600.4 T600.8 TP610.1 U500.1 U500.3 U501.3 | length 4.7
  Top w0.254: D300.1@-17.525,-19.975 -17.516,-19.984 -17.516,-21.491 C305.2@-17.507,-21.5 ; D301.1@0.475,-19.975 0.48,-19.98 0.48,-21.505 C307.2@0.485,-21.51 ; D302.1@18.475,-19.975 18.48,-19.98 18.48,-21.505 C306.2@18.485,-21.51
  Top w0.5: C500.1@21.463,9.294 21.488,9.294 C500.1@21.531,9.337
+VAUX: D602.2 JP600.1 R612.2 R614.2 T601.3 TP612.1
+VBUS: C600.1 C602.2 D600.5 J600.A4 J600.A9 J600.B4 J600.B9 R617.2 T601.1 T601.2 T601.5 T601.6 T601.7 TP600.1 U600.7 U600.8 | length 4.1
  Bottom w0.254: TP600.1@35.639,4.191 TP600.1@35.814,4.191 ; C600.1@36.195,8.486 C600.1@36.22,8.486 ; C602.2@37.465,8.486 37.49,8.486 37.648,8.644 C602.2@37.648,8.669 ; 37.582,9.652 37.582,10.636 U600.8@37.588,10.642 ; U600.7@38.088,10.642 38.094,10.636 38.094,9.398 ; J600.A4@45.98,1.5 46.003,1.477 46.529,1.477 46.736,1.27 47.26,1.27 J600.B9@47.28,1.25
  other v1: 25.527,-10.922 26.162,-10.922 25.527,-10.287 25.527,-9.652
ANT+: C321.2 J301.1 L303.2 R301.1 | length 7
  Top w0.247: L303.2@-0.209,10.611 J301.1@-0.209,12.221 -0.186,12.244 C321.2@-0.186,16.286 -0.197,16.298 -0.197,17.578 R301.1@-0.209,17.589
ANT_MCU: C316.2 L302.1 U301.31 | length 3.7
  Top w0.247: L302.1@-0.209,6.615 -0.209,5.402 -0.277,5.334 -0.2,5.257 U301.31@-0.2,2.986
ANT_PCB+: C322.2 J302.4 R301.2 | length 6.4
  Top w0.247: J302.4@-0.254,24.892 -0.209,24.847 R301.2@-0.209,18.539
BAT_MEAS: R615.2 R616.2 TP613.1 U301.41 | length 47.7
  Top w0.154: v1(-5.207,1.27) -4.663,0.726 -3.625,0.726 -3.46,0.561 U301.41@-3.025,0.561
  Top w0.305: v1(29.21,13.716) 29.226,13.7 32.497,13.7 R615.2@32.514,13.683
  Bottom w0.254: v1@-5.207,1.282 -5.207,5.334 -3.673,6.868 3.312,6.868 10.16,13.716 v1(29.21,13.716)
BUTTON1: C302.2 R303.1 SW1.3 SW1.4 TP300.1 U301.18 | length 27.2
  Top w0.154: U301.18@3.025,-0.239 3.756,-0.239 3.841,-0.154 v1(3.898,-0.154) ; v1(6.985,-11.176) 8.478,-11.176 SW1.4@8.546,-11.244
  Top w0.205: SW1.4@8.415,-11.113 SW1.4@8.478,-11.176 ; SW1.4@8.546,-11.244 8.614,-11.176 TP300.1@16.891,-11.176
  Top w0.254: SW1.4@8.415,-11.113 R303.1@8.415,-8.001
  Bottom w0.154: v1(3.898,-0.154) 3.898,-1.739 4.318,-2.159 5.715,-2.159 6.477,-2.921 6.477,-4.318 6.985,-4.826 v1(6.985,-11.176)
BUTTON2: C303.2 R304.1 SW2.3 SW2.4 TP301.1 U301.15 | length 23
  Top w0.154: U301.15@3.025,-1.439 3.445,-1.439 4.03,-2.024 4.03,-2.404 5.563,-3.937 v1(5.842,-3.937)
  Top w0.254: SW2.4@-2.6,-11.17 -2.594,-11.176 v1(5.842,-11.176) ; SW2.3@2.65,-11.12 R304.1@2.65,-7.921
  Bottom w0.205: v1(5.842,-11.176) v1(5.842,-3.937)
BUTTON3: C304.2 R305.1 SW3.3 SW3.4 TP302.1 U301.13 | length 29.9
  Top w0.154: U301.13@3.025,-2.239 3.025,-2.644 v1(4.318,-3.937)
  Top w0.205: SW3.3@-8.546,-11.17 SW3.3@-8.526,-11.15
  Top w0.254: SW3.4@-13.746,-11.17 -8.546,-11.17 -8.54,-11.176 TP302.1@-5.588,-11.176 v1(-5.588,-12.192) ; SW3.3@-8.526,-11.15 -8.526,-9.318 R305.1@-8.526,-7.921
  Bottom w0.205: v1(-5.588,-12.192) -0.762,-12.192 4.318,-7.112 v1(4.318,-3.937)
BUZZER: M300.1 TP303.1 U301.4 | length 12.7
  Top w0.154: M300.1@-10.018,-5.439 -9.996,-5.461 v1(-8.382,-5.461) ; U301.4@-1,-3.064 -1,-3.817 v1(-0.961,-3.856)
  Top w0.203: TP303.1@-10.033,-3.262 -10.033,-5.424 M300.1@-10.018,-5.439
  Bottom w0.154: v1(-8.382,-5.461) -6.777,-3.856 v1(-0.961,-3.856)
C\H\G\_\C\H\G\: R609.1 TP607.1 U301.21 U601.3 | length 43.5
  Top w0.154: U301.21@3.025,0.961 3.926,0.961 4.132,1.167 v1(4.189,1.167)
  Top w0.205: U601.3@37.588,-0.267 37.588,-1.266 37.896,-1.574 R609.1@39.37,-1.574 TP607.1@39.37,-2.921 v1(39.37,-3.683)
  Bottom w0.154: v1(4.189,1.167) 4.217,1.139 5.697,1.139 8.636,-1.8 37.487,-1.8 v1(39.37,-3.683)
C\H\G\_\E\N\: R606.2 TP604.1 U301.29 U601.4 | length 52.2
  Top w0.154: U301.29@0.6,2.986 0.609,2.995 0.609,3.43 v1(1.46,4.282)
  Top w0.205: U601.4@38.088,-0.267 38.828,-0.267 39.37,0.275 R606.2@39.37,0.795 39.386,0.778 40.878,0.778 TP604.1@40.894,0.762 v1@40.894,-3.556
  Bottom w0.154: v1(1.46,4.282) 1.487,4.255 1.711,4.255 4.52,1.445 5.824,1.445 8.763,-1.494 38.832,-1.494 v1@40.894,-3.556
  other v1: 40.894,-3.683
C\H\G\_\F\A\S\T\: R610.1 TP608.1 U301.30 U601.6 | length 59.7
  Top w0.154: U301.30@0.2,2.986 0.2,3.631 1.282,4.713 v1(1.891,4.713)
  Top w0.205: U601.6@37.588,2.553 37.588,3.298 38.227,3.937 R610.1@38.227,4.351 38.274,4.398 40.339,4.398 TP608.1@40.386,4.445 41.91,2.921 v1@41.91,-3.556
  Bottom w0.154: v1(1.891,4.713) 4.853,1.751 5.951,1.751 8.89,-1.187 40.557,-1.187 41.91,-2.54 v1@41.91,-3.556
  other v1: 41.91,-3.683
C\H\G\_\P\P\R\: R608.1 TP606.1 U301.20 U601.2 | length 39.4
  Top w0.154: U301.20@3.025,0.561 3.262,0.561 3.3,0.599 5.041,0.599 5.15,0.708 v1(5.207,0.708)
  Top w0.205: U601.2@37.088,-0.267 37.102,-0.282 37.102,-2.144 R608.1@37.117,-2.159 37.1,-2.175 TP606.1@37.1,-3.667
  Bottom w0.154: v1(5.207,0.708) 5.695,0.708 5.819,0.583 8.509,-2.107 35.508,-2.107 v1(37.084,-3.683)
CHG_ISET: R607.2 TP605.1 U301.40 U601.7 | length 51
  Top w0.154: v1(-4.534,1.574) -3.992,1.032 -3.333,1.032 -3.262,0.961 U301.40@-3.025,0.961
  Top w0.205: v1(34.798,5.715) 36.162,4.351 R607.2@37.084,4.351 ; R607.2@37.086,4.351 37.086,2.555 U601.7@37.088,2.553
  Bottom w0.254: v1(-4.534,1.574) -4.534,2.451 -1.016,5.969 1.458,5.969 5.071,2.356 27.248,2.356 30.607,5.715 v1(34.798,5.715)
DAC_L\D\A\C\: TP413.1 U301.11 U401.11 | length 53
  Top w0.152: v1(-38.616,-12.663) -38.616,-12.033 -38.362,-11.779 -37.219,-11.779 -36.471,-11.031 -36.471,-10.634 U401.11@-36.456,-10.619
  Top w0.154: v1(1.778,-7.747) 1.778,-7.723 2.058,-7.442 2.058,-3.688 1.809,-3.439 1.809,-3.073 U301.11@1.8,-3.064
  Bottom w0.154: v1(-38.616,-12.663) -37.198,-14.081 -27.797,-14.081 -25.4,-11.684 -0.723,-11.684 1.778,-9.183 v1(1.778,-7.747)
DAC_REF: C412.2 TP406.1 U301.44 U401.1 | length 36.3
  Top w0.203: v1(-4.088,-0.538) -4.045,-0.538 -3.944,-0.639 U301.44@-3.025,-0.639
  Top w0.254: U401.1@-35.949,-7.812 -35.949,-7.242 -35.311,-6.604 -34.29,-6.604 -32.648,-6.604 TP406.1@-31.758,-5.714
  Bottom w0.254: v1(-31.75,-5.715) -27.893,-1.858 -5.922,-1.858 -4.624,-0.56 -4.11,-0.56 v1(-4.088,-0.538)
DEC1: C311.2 U301.1 | length 4.3
  Top w0.305: C311.2@-4.976,-5.754 -4.976,-5.729 -4.386,-5.139 -4.386,-4.386 -3.175,-3.175 -3.031,-3.031 U301.1@-2.253,-3.031
DEC3: C314.1 U301.34 | length 3.1
  Top w0.221: C314.1@-2.427,5.309 C314.1@-2.54,5.422 -2.54,4.775 -1.411,3.645 U301.34@-1.411,2.997
DEC4_6: C300.2 C301.2 L300.2 U301.33 U301.46 | length 13.4
  Top w0.205: C300.2@-4.953,-1.54 C300.2@-4.942,-1.551 ; v1@-4.032,-1.547 -3.75,-1.547 -3.643,-1.439 U301.46@-3.025,-1.439 ; v1(-1.419,4.311) -1,3.892 U301.33@-1,2.986
  Top w0.305: L300.2@-7.493,-0.782 -7.446,-0.829 -7.171,-0.829 -6.593,-1.408 -6.355,-1.408 C301.2@-6.223,-1.54 C300.2@-4.953,-1.54 ; C300.2@-4.942,-1.551 -4.036,-1.551 v1(-4.032,-1.548)
  Bottom w0.205: v1(-4.032,-1.548) -4.01,-1.525 -3.772,-1.525 -3.048,-0.801 -3.048,2.682 v1(-1.419,4.311)
DOUT1: D300.2 D301.4 TP305.1 | length 17.4
  Top w0.205: D300.2@-17.525,-19.025 -5.994,-19.025 -5.044,-19.975 D301.4@-0.475,-19.975
DOUT2: D301.2 D302.4 TP306.1 | length 17.4
  Top w0.205: D301.2@0.475,-19.025 12.006,-19.025 12.956,-19.975 D302.4@17.525,-19.975
FB_5V_DCDC: R501.1 R502.2 TP504.1 U501.1 | length 4.4
  Top w0.254: U501.1@18.266,-2.659 18.288,-2.681 18.288,-3.048 18.034,-3.302 18.034,-3.896 R501.1@17.993,-3.937 R502.2@19.21,-3.937 19.193,-3.953 19.193,-5.699 TP504.1@19.177,-5.715
FTDI_RXD: R605.2 U600.17 | length 3.6
  Bottom w0.254: R605.2@33.241,13.97 36.565,13.97 36.588,13.947 U600.17@36.588,13.742
FTDI_TXD: R604.2 U600.18 | length 4.9
  Bottom w0.254: R604.2@33.233,15.113 36.576,15.113 37.088,14.601 U600.18@37.088,13.742